# Altium PCB PCB.PcbDoc (part 1 of 3) (continued)
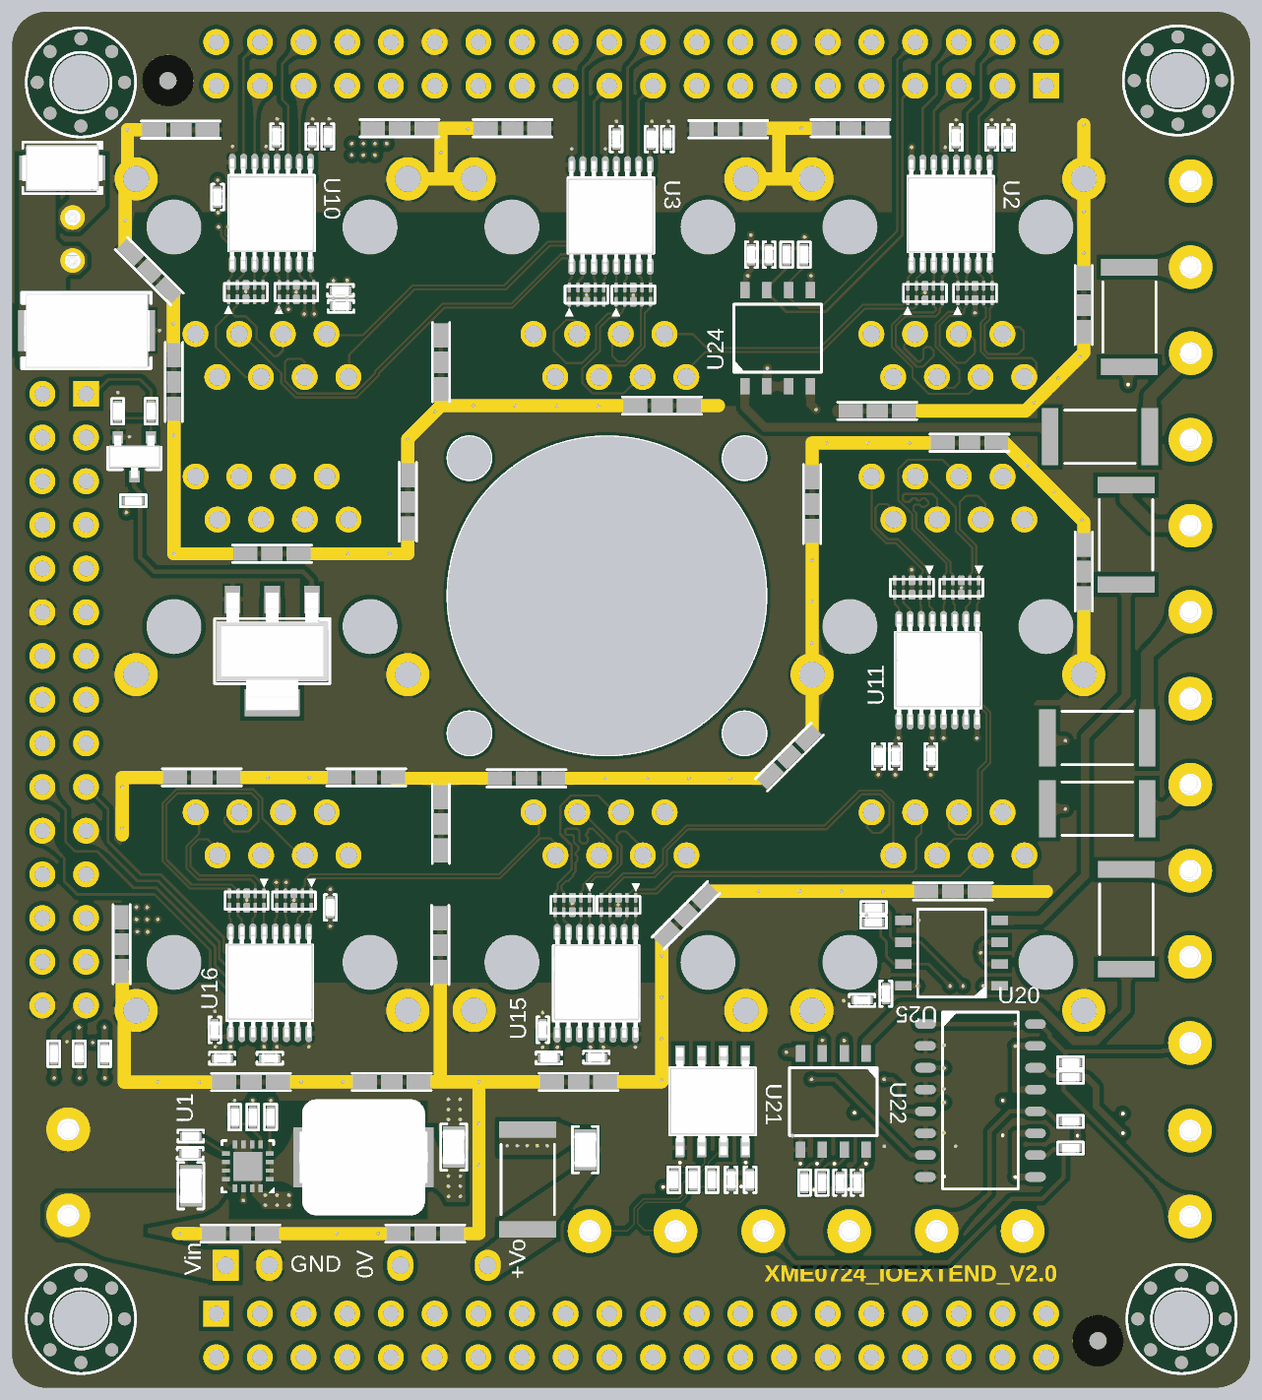
[diagram p7: 3D render of the assembled board from below, using the file's embedded part models]

## Layer stack, top to bottom
Top Solder: solder mask 0.5, Solder Resist, Dk 3.8
Top Layer: signal copper 1.378
Dielectric 2: prepreg 7.874, PP-022, Dk 4.6
PWR: plane copper 0.689, net (Multiple Nets)
Dielectric 1: dielectric 41.929, FR-4, Dk 4.6
GND: plane copper 0.689, net (Multiple Nets)
Dielectric 3: prepreg 7.874, PP-022, Dk 4.6
Bottom Layer: signal copper 1.378
Bottom Solder: solder mask 0.5, Solder Resist, Dk 3.8

## Board outline
3264.76,1688.95 ccw(c3343.5,1688.95) 3343.5,1610.21 6020.7,1610.21 6020.91,1610 ccw(c6020.91,1688.74) 6099.65,1688.74 6099.65,4680.87 ccw(c6020.91,4680.87) 6020.91,4759.61 3343.74,4759.61 ccw(c3343.74,4680.87) 3265,4680.87
cut-out: 5003.42,3737.87 ccw(c5052.63,3737.87) 5052.63,3688.66 ccw(c5052.63,3737.87) 5101.84,3737.87 ccw(c5052.63,3737.87) 5052.63,3787.09 ccw(c5052.63,3737.87)
cut-out: 4373.49,3737.87 ccw(c4422.71,3737.87) 4422.71,3688.66 ccw(c4422.71,3737.87) 4471.92,3737.87 ccw(c4422.71,3737.87) 4422.71,3787.09 ccw(c4422.71,3737.87)
cut-out: 5003.42,3107.95 ccw(c5052.63,3107.95) 5052.63,3058.74 ccw(c5052.63,3107.95) 5101.84,3107.95 ccw(c5052.63,3107.95) 5052.63,3157.17 ccw(c5052.63,3107.95)
cut-out: 4373.49,3107.95 ccw(c4422.71,3107.95) 4422.71,3058.74 ccw(c4422.71,3107.95) 4471.92,3107.95 ccw(c4422.71,3107.95) 4422.71,3157.17 ccw(c4422.71,3107.95)
cut-out: 4373.65,3422.76 ccw(c4737.82,3422.76) 4737.82,3058.58 ccw(c4737.82,3422.76) 5102,3422.76 ccw(c4737.82,3422.76) 4737.82,3786.93 ccw(c4737.82,3422.76)

## Design rules (kind name [scope] priority, off if disabled: settings)
BoardOutlineClearance [All] p1: gap=0 ignorepadtopadclearanceinfootprint=FALSE
Clearance [All] p1: gap=5 ignorepadtopadclearanceinfootprint=TRUE except(0: Arc-Text Track-Text SMDPad-Text THPad-Text Via-Text Fill-Text Poly-Text Region-Text Text-Text Text-Hole; 3.5: Arc-Arc Arc-Track Track-Track Track-Region; 10: Arc-Poly Track-Poly SMDPad-Poly THPad-Poly Via-Poly Fill-Poly Poly-Poly Poly-Region Poly-Hole)
ComponentClearance [All] p1 off: gap=10 collisioncheckmode=3 verticalgap=10 showdistances=FALSE
DiffPairsRouting DiffPairsRouting_1 [InDifferentialPairClass('UART485')] p1: maxlimit=5 minlimit=5 mostfreqgap=5 toplayer_minwidth=3.32 toplayer_maxwidth=3.32 toplayer_prefwidth=3.32 bottomlayer_minwidth=3.32 bottomlayer_maxwidth=3.32 bottomlayer_prefwidth=3.32 impedanceprofiledriven=TRUE impedanceprofileid={670FBFD0-124F-47FF-8192-2180D82E6DBE} impedanceprofilevalue=120.000000 maxuncoupledlength=500
DiffPairsRouting [(InDifferentialPairClass('VALVEBOARD1') OR InDifferentialPairClass('VALVEBOARD2') OR InDifferentialPairClass('VALVEBOARD3') OR InDifferentialPairClass('VALVEBOARD4') OR InDifferentialPairClass('VALVEBOARD5') OR InDifferentialPairClass('VALVEBOARD6') OR InDifferentialPairClass('VALVEBOARD7') OR InDifferentialPairClass('VALVEBOARD8'))] p2: maxlimit=4 minlimit=4 mostfreqgap=4 toplayer_minwidth=4.96 toplayer_maxwidth=4.96 toplayer_prefwidth=4.96 bottomlayer_minwidth=4.96 bottomlayer_maxwidth=4.96 bottomlayer_prefwidth=4.96 impedanceprofiledriven=TRUE impedanceprofileid={38B8D405-E06E-48AB-A2F8-66B1A534E900} impedanceprofilevalue=100.000000 maxuncoupledlength=500
Height [All] p1 off: minheight=0 maxheight=1000 prefheight=500
HoleSize [All] p1: absolutevalues=TRUE maxlimit=248.03 minlimit=7.87 maxpercent=80.000 minpercent=20.000
HoleToHoleClearance [All] p1: gap=14.84 allowstackedmicrovias=TRUE
MatchedLengths MatchedLengths_within_8 [InDifferentialPairClass('UART485')] p1: tolerance=5 checknetsindiffpair=TRUE checkdiffpairvsdiffpair=FALSE checkxsignals=FALSE checkothers=FALSE
MatchedLengths MatchedLengths_within_7 [InDifferentialPairClass('VALVEBOARD8')] p2: tolerance=5 checknetsindiffpair=TRUE checkdiffpairvsdiffpair=FALSE checkxsignals=FALSE checkothers=FALSE
MatchedLengths MatchedLengths_within_6 [InDifferentialPairClass('VALVEBOARD7')] p3: tolerance=5 checknetsindiffpair=TRUE checkdiffpairvsdiffpair=FALSE checkxsignals=FALSE checkothers=FALSE
MatchedLengths MatchedLengths_within_5 [InDifferentialPairClass('VALVEBOARD6')] p4: tolerance=5 checknetsindiffpair=TRUE checkdiffpairvsdiffpair=FALSE checkxsignals=FALSE checkothers=FALSE
MatchedLengths MatchedLengths_within_4 [InDifferentialPairClass('VALVEBOARD5')] p5: tolerance=5 checknetsindiffpair=TRUE checkdiffpairvsdiffpair=FALSE checkxsignals=FALSE checkothers=FALSE
MatchedLengths MatchedLengths_within_3 [InDifferentialPairClass('VALVEBOARD4')] p6: tolerance=5 checknetsindiffpair=TRUE checkdiffpairvsdiffpair=FALSE checkxsignals=FALSE checkothers=FALSE
MatchedLengths MatchedLengths_within_2 [InDifferentialPairClass('VALVEBOARD3')] p7: tolerance=5 checknetsindiffpair=TRUE checkdiffpairvsdiffpair=FALSE checkxsignals=FALSE checkothers=FALSE
MatchedLengths MatchedLengths_within_1 [InDifferentialPairClass('VALVEBOARD2')] p8: tolerance=5 checknetsindiffpair=TRUE checkdiffpairvsdiffpair=FALSE checkxsignals=FALSE checkothers=FALSE
MatchedLengths MatchedLengths_within [InDifferentialPairClass('VALVEBOARD1')] p9: tolerance=5 checknetsindiffpair=TRUE checkdiffpairvsdiffpair=FALSE checkxsignals=FALSE checkothers=FALSE
MatchedLengths MatchedLengths_8 [InDifferentialPairClass('UART485')] p10 off: tolerance=50 checknetsindiffpair=FALSE checkdiffpairvsdiffpair=TRUE checkxsignals=TRUE checkothers=TRUE
MatchedLengths MatchedLengths_7 [InDifferentialPairClass('VALVEBOARD8')] p11 off: tolerance=50 checknetsindiffpair=FALSE checkdiffpairvsdiffpair=TRUE checkxsignals=TRUE checkothers=TRUE
MatchedLengths MatchedLengths_6 [InDifferentialPairClass('VALVEBOARD7')] p12 off: tolerance=50 checknetsindiffpair=FALSE checkdiffpairvsdiffpair=TRUE checkxsignals=TRUE checkothers=TRUE
MatchedLengths MatchedLengths_5 [InDifferentialPairClass('VALVEBOARD6')] p13 off: tolerance=50 checknetsindiffpair=FALSE checkdiffpairvsdiffpair=TRUE checkxsignals=TRUE checkothers=TRUE
MatchedLengths MatchedLengths_4 [InDifferentialPairClass('VALVEBOARD5')] p14 off: tolerance=50 checknetsindiffpair=FALSE checkdiffpairvsdiffpair=TRUE checkxsignals=TRUE checkothers=TRUE
MatchedLengths MatchedLengths_3 [InDifferentialPairClass('VALVEBOARD4')] p15 off: tolerance=50 checknetsindiffpair=FALSE checkdiffpairvsdiffpair=TRUE checkxsignals=TRUE checkothers=TRUE
MatchedLengths MatchedLengths_2 [InDifferentialPairClass('VALVEBOARD3')] p16 off: tolerance=50 checknetsindiffpair=FALSE checkdiffpairvsdiffpair=TRUE checkxsignals=TRUE checkothers=TRUE
MatchedLengths MatchedLengths_1 [InDifferentialPairClass('VALVEBOARD2')] p17 off: tolerance=50 checknetsindiffpair=FALSE checkdiffpairvsdiffpair=TRUE checkxsignals=TRUE checkothers=TRUE
MatchedLengths [InDifferentialPairClass('VALVEBOARD1')] p18 off: tolerance=50 checknetsindiffpair=FALSE checkdiffpairvsdiffpair=TRUE checkxsignals=TRUE checkothers=TRUE
MinimumSolderMaskSliver [All] p1 off: minsoldermaskwidth=10
PlaneClearance [All] p1: clearance=15
PlaneConnect [All] p1: pad.planeconnectstyle=Relief pad.reliefexpansion=10 pad.reliefentries=4 pad.reliefconductorwidth=20 pad.reliefairgap=6 via.planeconnectstyle=Direct via.reliefexpansion=10 via.reliefentries=4 via.reliefconductorwidth=20 via.reliefairgap=6
PolygonConnect [All] p1: thpad.connectstyle=Relief thpad.reliefconductorwidth=20 thpad.reliefentries=4 thpad.polygonreliefangle="90 Angle" thpad.airgapwidth=6 smdpad.connectstyle=Relief smdpad.reliefconductorwidth=10 smdpad.reliefentries=4 smdpad.polygonreliefangle="90 Angle" smdpad.airgapwidth=6 via.connectstyle=Direct via.reliefconductorwidth=10 via.reliefentries=4 via.polygonreliefangle="90 Angle" via.airgapwidth=10
RoutingVias [All] p1: holewidth=7.87 width=17.72 viastyle="Through Hole" minholewidth=7.87 minwidth=17.72 maxholewidth=7.87 maxwidth=17.72
SilkToSilkClearance [All] p1 off: silktosilkclearance=10
SilkToSolderMaskClearance [IsPad] p1 off: minsilkscreentomaskgap=10 clearancetoexposedcopper=TRUE
SolderMaskExpansion SolderMaskExpansion_1 [IsVia] p1: expansion=4 istentingtop=TRUE
SolderMaskExpansion [All] p2: expansion=0 istentingtop=FALSE
Width Width_POWER [InNetClass('POWER')] p1: maxlimit=10999 minlimit=3.5 preferedwidth=8
Width [All] p2: maxlimit=999 minlimit=3.5 preferedwidth=6
20 further rules are at their usual default settings.

## Classes and differential pairs
differential pair class VALVEBOARD8: SCLK8 SDATA8 SEN8
differential pair class VALVEBOARD7: SCLK7 SDATA7 SEN7
differential pair class VALVEBOARD6: SCLK6 SDATA6 SEN6
differential pair class VALVEBOARD5: SCLK5 SDATA5 SEN5
differential pair class VALVEBOARD4: SCLK4 SDATA4 SEN4
differential pair class VALVEBOARD2: SCLK3 SDATA1 SDATA3
differential pair class VALVEBOARD3: SCLK2 SEN2 SEN3
differential pair class VALVEBOARD1: SCLK1 SDATA2 SEN1
differential pair class UART485: UART485
net class POWER: +3.3V +5V +12V +ISO12V ISOGND1 ISOGND2 ISOGND10
differential pair SEN1: +SEN1_P -SEN1_N
differential pair SEN4: +SEN4_P -SEN4_N
differential pair SCLK4: +SCLK4_P -SCLK4_N
differential pair UART485: +UART485_P -UART485_N
differential pair SEN8: +SDATA8_P -SDATA8_N
differential pair SEN7: +SDATA7_P -SDATA7_N
differential pair SEN6: +SDATA6_P -SDATA6_N
differential pair SEN5: +SDATA5_P -SDATA5_N
differential pair SEN3: +SEN3_P -SEN3_N
differential pair SEN2: +SCLK3_P -SCLK3_N
differential pair SEN1: +SCLK1_P -SCLK1_N
differential pair SDATA8: +SCLK8_P -SCLK8_N
differential pair SDATA7: +SCLK7_P -SCLK7_N
differential pair SDATA6: +SEN6_P -SEN6_N
differential pair SDATA5: +SCLK5_P -SCLK5_N
differential pair SDATA4: +SDATA4_P -SDATA4_N
differential pair SDATA2: +SDATA3_P -SDATA3_N
differential pair SDATA1: +SDATA1_P -SDATA1_N
differential pair SCLK8: +SEN8_P -SEN8_N
differential pair SCLK7: +SEN7_P -SEN7_N
differential pair SCLK6: +SCLK6_P -SCLK6_N
differential pair SCLK5: +SEN5_P -SEN5_N
differential pair SCLK3: +SEN2_P -SEN2_N
differential pair SCLK2: +SCLK2_P -SCLK2_N
differential pair SCLK1: +SDATA2_P -SDATA2_N

## Components (designator, comment, footprint, x,y, rotation, side; value= is the part's Value field where it differs from the comment)
C1 "C-NOMO" C0805 5690.54,2072.35 r270 bottom value=10uF
C2 "C-NOMO" C0402 5692.01,2146.25 r180 bottom value=100nF
C3 "C-NOMO" C0805 5088.6,2160.61 r90 bottom value=22uF
C4 "C-NOMO" C0402 5690.68,2185.94 r0 bottom value=10nF
C5 "C-POL" C7343 5929.39,4029.92 r180 bottom value=100uF
C6 "C-NOMO" C0402 5346.92,4085.41 r180 bottom value=100nF
C7 "C-NOMO" C0402 5629.07,4335.49 r90 bottom value=100nF
C8 "C-NOMO" C0402 3856.93,4471.92 r270 bottom value=100nF
C9 "C-NOMO" C0402 3818.88,4471.92 r270 bottom value=1nF
C10 "C-NOMO" C0402 3938.28,4471.92 r270 bottom value=1nF
C11 "C-NOMO" C0402 4599.31,4468.38 r270 bottom value=100nF
C12 "C-NOMO" C0402 4716.85,4468.38 r270 bottom value=1nF
C13 "C-NOMO" C0402 4636.66,4468.38 r270 bottom value=1nF
C14 "C-NOMO" C0402 5376.98,4473.97 r270 bottom value=100nF
C15 "C-NOMO" C0402 5413.41,4473.97 r270 bottom value=1nF
C16 "C-NOMO" C0402 5493.84,4473.97 r270 bottom value=1nF
C17 "C-NOMO" C0402 4116.06,3055.14 r90 bottom value=100nF
C18 "C-NOMO" C0402 3996.07,3055.14 r90 bottom value=1nF
C19 "C-NOMO" C0402 4077.21,3055.14 r90 bottom value=1nF
C20 "C-NOMO" C0402 5635.43,2429.19 r270 bottom value=100nF
C21 "C-NOMO" C0402 5618.55,2364.18 r180 bottom value=1nF
C22 "C-NOMO" C0402 5509.57,2364.18 r0 bottom value=1nF
C23 "C-NOMO" C0402 4884.86,2429.43 r270 bottom value=100nF
C24 "C-NOMO" C0402 4762.07,2366.46 r0 bottom value=1nF
C25 "C-NOMO" C0402 4870.69,2364.93 r180 bottom value=1nF
C26 "C-NOMO" C0402 4366.64,4203.62 r270 bottom value=100nF
C27 "C-NOMO" C0402 4407,4203.62 r270 bottom value=1nF
C28 "C-NOMO" C0402 4153.66,2496.54 r180 bottom value=100nF
C29 "C-NOMO" C0402 4099.47,2512.02 r90 bottom value=1nF
C30 "C-NOMO" C0402 4205.13,2079.44 r90 bottom value=100nF
C31 "C-NOMO" C0402 4164.97,2079.44 r90 bottom value=1nF
C32 "C-NOMO" C0805 4787.36,2154.94 r270 bottom value=4.7uF
C33 "C-NOMO" C0402 4409.99,2085.89 r90 bottom value=100nF
C34 "C-NOMO" C0402 4453.63,2085.89 r90 bottom value=1nF
C35 "C-NOMO" C0402 5347.84,4121.88 r180 bottom value=100nF
C36 "C-NOMO" C0402 5371.27,2709.46 r270 bottom value=100nF
D1 "LED" LED0603 5945.44,2373.93 r270 top
D2 "LED" LED0603 6003.55,2373.93 r270 top
D3 "LED" LED0603 5887.34,2373.93 r270 top
D4 "SS34" DO-214AC 5984.68,4402.42 r0 bottom
J1 "RJ45-UP" RJ45-UP 3957.23,4150.41 r180 top locked
J2 "RJ45-UP" RJ45-UP 4730.95,4150.41 r180 top locked
J3 "RJ45-UP" RJ45-UP 5504.66,4150.41 r180 top locked
J4 "RJ45-UP" RJ45-UP 5504.66,3469.04 r0 top locked
J5 "RJ45-UP" RJ45-UP 3957.23,3469.04 r0 top locked
J6 "RJ45-UP" RJ45-UP 3957.23,2700.26 r0 top locked
J7 "RJ45-UP" RJ45-UP 4730.95,2700.26 r0 top locked
J8 "RJ45-UP" RJ45-UP 5504.66,2700.26 r0 top locked
J9 "HDR1X3" KF301-5.0-3P 3402.44,2990.4 r270 top locked
J10 "HDR1X2" KF301-5.0-2P 4281.42,1968.51 r0 top locked
J11 "HDR1X2" KF301-5.0-2P 3884.55,1968.67 r0 top locked
J12 "HDR1X2" KF301-5.0-2P 3402.9,2100.2 r270 top locked
J13 "HDR1X2" KF301-5.0-2P 3402.9,2497.58 r270 top locked
J14 "HDR1X2" KF301-5.0-2P 4679.24,1968.51 r0 top locked
J15 "HDR1X3" KF301-5.0-3P 3401.34,4175.09 r270 top locked
J16 "HDR1X3" KF301-5.0-3P 3402.01,3583.13 r270 top locked
J17 "HDR2X15" HDR2X15 5980.35,3184.98 r270 top locked
J18 "HDR2X20" HDR2X20 4682.37,1729.59 r180 top locked
J19 "HDR2X20" HDR2X20 4682.32,4640.31 r0 top locked
J20 "HDR1X2" KF301-5.0-2P 5971.17,2103.01 r90 top locked
J21 "HDR1X2" XH-2A 5961.12,4239.55 r90 top locked
L1 "L" FXL0624 5295.09,2137.39 r180 bottom value=2.2uH
MARKPOINT1 "MARKPOINT" MARKPOINT-1.0#1 3613.6,4612.12 r0 top
MARKPOINT2 "MARKPOINT" MARKPOINT-1.0#1 5754.44,1725.85 r0 top
MARKPOINT3 "MARKPOINT" MARKPOINT-1.0#2 3613.6,1717.51 r180 bottom
MARKPOINT4 "MARKPOINT" MARKPOINT-1.0#2 5742.99,4601.96 r180 bottom
POSHOLE1 "POSHOLE" POSHOLE-3.2 3430.61,4602.31 r0 top locked
POSHOLE2 "POSHOLE" POSHOLE-3.2 5942.17,4598.03 r0 top locked
POSHOLE3 "POSHOLE" POSHOLE-3.2 5942.17,1767.48 r0 top locked
POSHOLE4 "POSHOLE" POSHOLE-3.2 3422.48,1767.48 r0 top locked
Q1 "MMBT3904LT1G" SOT-23 3682.52,2238.07 r180 top
Q2 "MMBT3904LT1G" SOT-23 3853.76,2238.07 r180 top
Q3 "MMBT3904LT1G" SOT-23 4018.89,2238.07 r180 top
Q4 "MMBT3904LT1G" SOT-23 4187.16,2239.1 r180 top
Q5 "NDT3055L" SOT-223 5504.24,3296.18 r270 bottom
Q6 "MMBT3904LT1G" SOT-23 5819.61,3740.81 r270 bottom
R1 "R" R0402 5548.85,2229.47 r90 bottom value=953K
R2 "R" R0402 5507.98,2229.47 r90 bottom value=100K
R3 "R" R0402 5589.73,2229.47 r270 bottom value=180K
R4 "R" R0402 5822.22,3640.24 r0 bottom value=1K
R5 "R" R1812 5979.24,4012.7 r0 top value=10R
R6 "R" R0402 5781.38,3845.52 r270 bottom value=1K
R7 "R" R0402 5858.19,3845 r270 bottom value=10K
R8 "R" R0402 5945.9,2374.27 r270 bottom value=10K
R9 "R" R0402 6004.26,2374.27 r270 bottom value=10K
R10 "R" R0402 5887.55,2374.27 r270 bottom value=47K
R11 "R" R0402 3676.34,2354.08 r0 bottom value=4.7K
R12 "R" R0402 3676.34,2320.65 r0 bottom value=4.7K
R13 "R" R0402 3676.58,2219.57 r0 bottom value=4.7K
R14 "R" R0402 3676.58,2158.52 r0 bottom value=4.7K
R15 "R" R0402 3767.77,2273.99 r90 top value=68R
R16 "R" R0402 3939.5,2273.99 r90 top value=68R
R17 "R" R0402 4103.27,2273.99 r90 top value=68R
R18 "R" R0402 4270,2273.99 r90 top value=68R
R19 "R" R0402 3767.77,2203.21 r90 top value=470
R20 "R" R0402 3939.5,2203.21 r90 top value=470
R21 "R" R0402 4103.27,2203.21 r90 top value=470
R22 "R" R0402 4270,2203.21 r90 top value=470
R23 "R" R0402 4245.28,2079.44 r270 bottom value=1K